# KiCad board Marble_Tiny.kicad_pcb (continued)
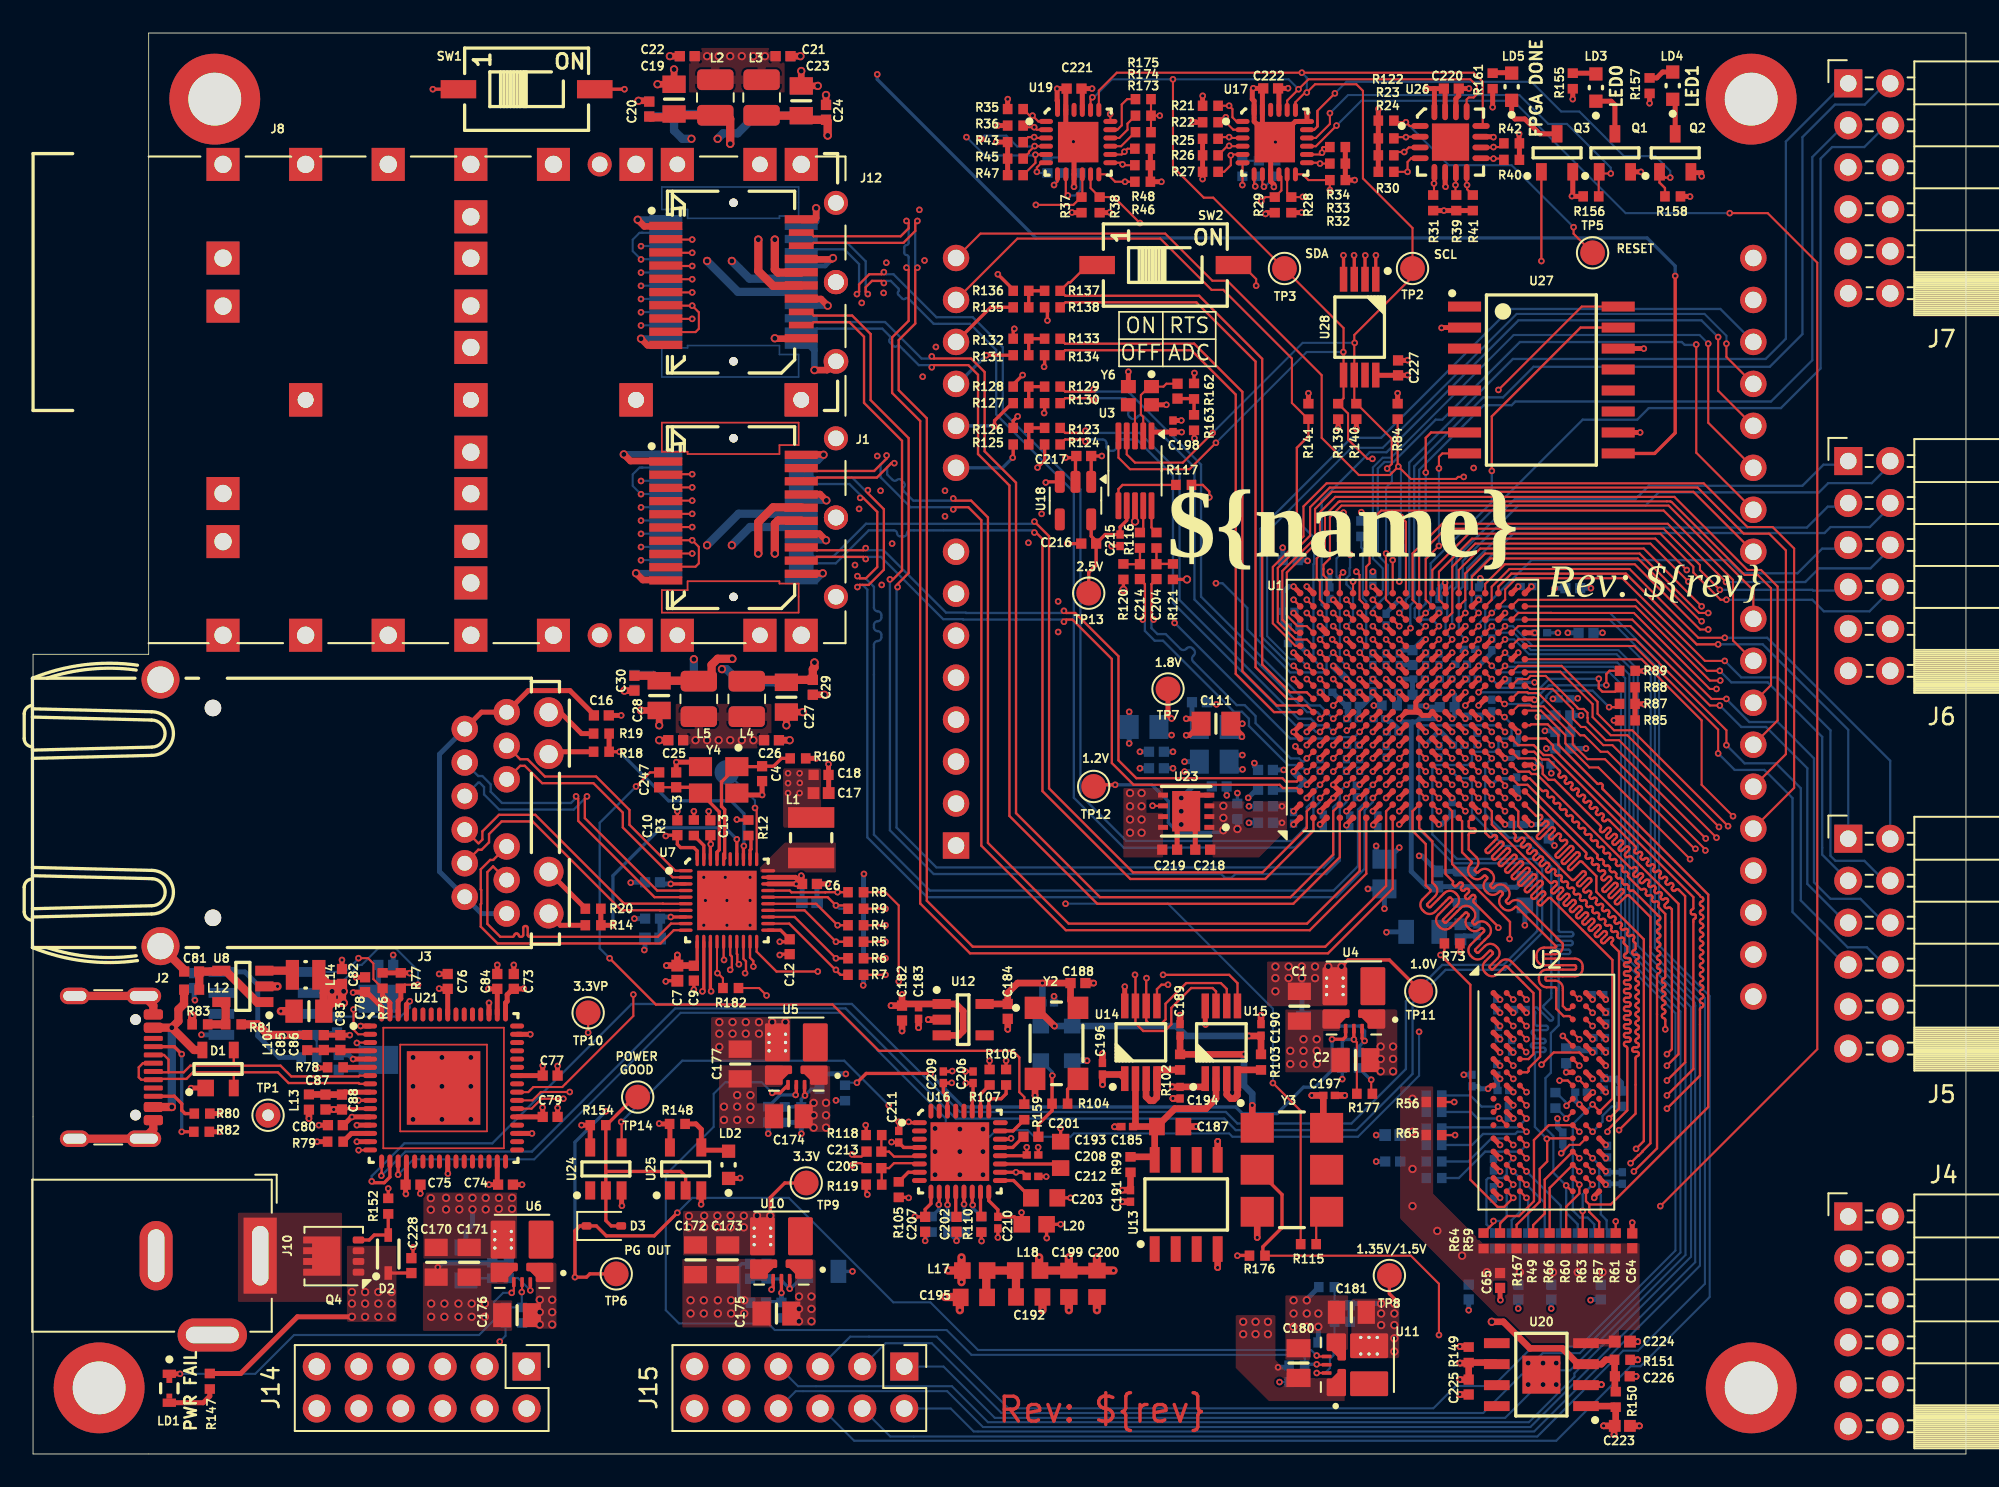
[diagram p0: board, top side]
## Routing (per net, layer and track width the routed paths; a pad name or vN(x,y) marks a point on that pad's centre or on a via; arc(x,y) is an arc through that point) (continued)
DDR3_A3: length 44.5
  Top w0.14: U2.N2 v1(89.6,17.9) ; U1.P6 v1(87.5,42.1)
  In5.Cu w0.13: v1(87.5,42.1) 87.9,41.7 89.3,41.7 91.7,39.3 91.7,36.6 92.15,36.15 arc(92.23,36.12) 92.3,36.15 92.82,36.66 arc(92.89,36.69) 92.96,36.66 93,36.63 arc(93.03,36.55) 93,36.48 92.21,35.69 arc(92.18,35.62) 92.21,35.55 92.24,35.51 arc(92.32,35.48) 92.39,35.51 93.18,36.3 arc(93.25,36.33) 93.33,36.3 93.36,36.26 arc(93.39,36.19) 93.36,36.12 92.84,35.6 arc(92.81,35.53) 92.84,35.46 96.7,31.6 96.7,24.44 95.35,23.09 95.04,23.09 94.79,22.85 94.79,22.49 94.58,22.28 94.22,22.28 94.01,22.06 94.01,20.95 92.86,19.8 91.8,19.8 91.11,19.11 90.24,19.11 89.99,18.86 89.99,18.29 v1(89.6,17.9)
  Bottom w0.14: v1(89.6,17.9) 89.2,17.5 89.2,16.94 88.96,16.7 88.08,16.7 87.98,16.6 87.98,13.89 R68.1
DDR3_A4: length 43.7
  Top w0.14: R61.1 v1(95.8,14.07) ; v1(97.03,18.47) 97.5,18.94 97.5,31.15 94.63,34.02 94.63,34.97 93.76,35.84 arc(93.68,35.87) 93.61,35.84 93.12,35.36 arc(93.05,35.32) 92.97,35.36 92.93,35.39 arc(92.9,35.47) 92.93,35.54 93.6,36.21 arc(93.63,36.28) 93.6,36.36 93.56,36.4 arc(93.48,36.43) 93.41,36.4 92.74,35.73 arc(92.67,35.7) 92.59,35.73 92.56,35.77 arc(92.52,35.85) 92.56,35.92 93.22,36.58 arc(93.25,36.66) 93.22,36.74 93.18,36.77 arc(93.1,36.8) 93.03,36.77 92.37,36.11 arc(92.29,36.08) 92.22,36.11 92.18,36.15 arc(92.15,36.22) 92.18,36.3 92.84,36.96 arc(92.87,37.04) 92.84,37.11 92.8,37.15 arc(92.73,37.18) 92.65,37.15 92.63,37.13 arc(92.55,37.09) 92.47,37.13 92.44,37.16 arc(92.41,37.24) 92.44,37.31 92.46,37.34 arc(92.49,37.42) 92.46,37.49 92.43,37.53 arc(92.35,37.56) 92.27,37.53 91.97,37.22 arc(91.89,37.19) 91.81,37.22 91.78,37.26 arc(91.75,37.33) 91.78,37.41 92.09,37.72 arc(92.12,37.79) 92.09,37.87 92.05,37.91 arc(91.97,37.94) 91.9,37.91 91.23,37.24 arc(91.16,37.21) 91.08,37.24 91.05,37.28 arc(91.01,37.36) 91.05,37.43 91.71,38.09 arc(91.74,38.17) 91.71,38.25 91.67,38.28 arc(91.59,38.31) 91.52,38.28 91.32,38.08 arc(91.24,38.05) 91.17,38.08 91.13,38.12 arc(91.1,38.19) 91.13,38.27 91.33,38.47 arc(91.36,38.55) 91.33,38.62 91.29,38.66 arc(91.22,38.69) 91.14,38.66 91.12,38.64 arc(91.04,38.6) 90.96,38.64 U1.V2 ; U2.P8 v1(94.4,17.1)
  In2.Cu w0.14: v1(94.4,17.1) 94.8,16.7 95.36,16.7 95.6,16.94 95.6,17.04 96.3,17.74 96.3,17.76 96.54,18 96.56,18 v1(97.03,18.47)
  In5.Cu w0.14: v1(94.4,17.1) 94.4,16.93 94,16.53 94,15.44 95.36,14.07 v1(95.8,14.07)
DDR3_A5: length 41.8
  Top w0.14: U1.V4 90.58,40.9 91.34,40.14 arc(91.42,40.11) 91.49,40.14 arc(91.56,40.17) 91.63,40.14 91.68,40.09 arc(91.7,40.02) 91.68,39.95 arc(91.65,39.88) 91.68,39.81 91.72,39.76 arc(91.79,39.73) 91.86,39.76 arc(91.93,39.79) 92.01,39.76 92.05,39.71 arc(92.08,39.64) 92.05,39.57 arc(92.02,39.5) 92.05,39.43 92.1,39.38 arc(92.17,39.35) 92.24,39.38 arc(92.31,39.41) 92.38,39.38 92.43,39.34 arc(92.46,39.26) 92.43,39.19 arc(92.4,39.12) 92.43,39.05 92.48,39.01 arc(92.55,38.98) 92.62,39.01 arc(92.69,39.03) 92.76,39.01 92.81,38.96 arc(92.84,38.89) 92.81,38.82 arc(92.78,38.75) 92.81,38.68 92.86,38.63 arc(92.93,38.6) 93,38.63 arc(93.07,38.66) 93.14,38.63 93.19,38.58 arc(93.21,38.51) 93.19,38.44 arc(93.16,38.37) 93.19,38.3 93.23,38.25 arc(93.3,38.22) 93.37,38.25 arc(93.44,38.28) 93.52,38.25 93.56,38.2 arc(93.59,38.13) 93.56,38.06 arc(93.53,37.99) 93.56,37.92 93.61,37.87 arc(93.68,37.84) 93.75,37.87 arc(93.82,37.9) 93.89,37.87 93.94,37.83 arc(93.97,37.75) 93.94,37.68 arc(93.91,37.61) 93.94,37.54 93.99,37.49 arc(94.06,37.47) 94.13,37.49 arc(94.2,37.52) 94.27,37.49 94.32,37.45 arc(94.35,37.38) 94.32,37.31 arc(94.29,37.24) 94.32,37.16 94.37,37.12 arc(94.44,37.09) 94.51,37.12 arc(94.58,37.15) 94.65,37.12 94.7,37.07 arc(94.73,37) 94.7,36.93 arc(94.67,36.86) 94.7,36.79 94.74,36.74 arc(94.81,36.71) 94.88,36.74 arc(94.96,36.77) 95.03,36.74 95.07,36.69 arc(95.1,36.62) 95.07,36.55 arc(95.04,36.48) 95.07,36.41 95.12,36.36 arc(95.19,36.33) 95.26,36.36 arc(95.33,36.39) 95.4,36.36 95.45,36.31 arc(95.48,36.24) 95.45,36.17 arc(95.42,36.1) 95.45,36.03 95.5,35.98 arc(95.57,35.96) 95.64,35.98 arc(95.71,36.01) 95.78,35.98 95.83,35.94 arc(95.86,35.87) 95.83,35.8 arc(95.8,35.72) 95.83,35.65 95.88,35.61 arc(95.95,35.58) 96.02,35.61 arc(96.09,35.64) 96.16,35.61 96.21,35.56 arc(96.24,35.49) 96.21,35.42 arc(96.18,35.35) 96.21,35.28 96.25,35.23 arc(96.31,35.21) 96.36,35.23 arc(96.41,35.25) 96.47,35.23 96.55,35.15 arc(96.57,35.09) 96.55,35.04 arc(96.53,34.99) 96.55,34.93 97.3,34.18 arc(97.37,34.15) 97.45,34.18 arc(97.52,34.21) 97.59,34.18 97.63,34.13 arc(97.66,34.06) 97.63,33.99 arc(97.6,33.92) 97.63,33.85 97.68,33.8 arc(97.75,33.77) 97.82,33.8 arc(97.89,33.83) 97.96,33.8 98.01,33.75 arc(98.04,33.68) 98.01,33.61 arc(97.98,33.54) 98.01,33.47 98.06,33.42 arc(98.13,33.39) 98.2,33.42 arc(98.27,33.45) 98.34,33.42 98.39,33.38 arc(98.42,33.31) 98.39,33.24 arc(98.36,33.16) 98.39,33.09 98.8,32.68 98.8,28.88 arc(98.77,28.81) 98.7,28.78 arc(98.63,28.75) 98.6,28.68 98.6,28.61 arc(98.63,28.54) 98.7,28.51 arc(98.77,28.48) 98.8,28.41 98.8,28.34 arc(98.77,28.27) 98.7,28.24 arc(98.63,28.22) 98.6,28.14 98.6,28.08 arc(98.63,28.01) 98.7,27.98 arc(98.77,27.95) 98.8,27.88 98.8,27.81 arc(98.77,27.74) 98.7,27.71 arc(98.63,27.68) 98.6,27.61 98.6,27.54 arc(98.63,27.47) 98.7,27.44 arc(98.77,27.41) 98.8,27.34 98.8,27.28 arc(98.77,27.21) 98.7,27.18 arc(98.63,27.15) 98.6,27.08 98.6,27.01 arc(98.63,26.94) 98.7,26.91 arc(98.77,26.88) 98.8,26.81 98.8,26.74 arc(98.77,26.67) 98.7,26.64 arc(98.63,26.61) 98.6,26.54 98.6,26.48 arc(98.63,26.41) 98.7,26.38 arc(98.77,26.35) 98.8,26.28 v1(98.8,25.7) ; U2.P2 v1(89.6,17.1)
  In5.Cu w0.13: v1(89.6,17.1) 90,17.5 90.75,17.5 92.05,18.8 92.4,18.8 93,19.4 93,19.46 93.94,20.4 94.3,20.4 98.8,24.9 v1(98.8,25.7)
  Bottom w0.14: v1(89.6,17.1) 90,16.7 90,14.65 89.5,14.15 R62.1
DDR3_A6: length 41.8
  Top w0.14: U1.V7 91.59,43.3 92.01,42.88 92.01,42.69 100.9,33.8 arc(100.93,33.73) 101,33.7 arc(101.07,33.67) 101.09,33.61 101.09,33.53 arc(101.07,33.46) 101,33.44 arc(100.93,33.41) 100.9,33.34 100.9,33.27 arc(100.93,33.2) 101,33.17 arc(101.07,33.14) 101.09,33.07 101.09,33 arc(101.07,32.93) 101,32.9 arc(100.93,32.87) 100.9,32.8 100.9,32.73 arc(100.93,32.66) 101,32.63 arc(101.07,32.61) 101.09,32.54 101.09,32.46 arc(101.07,32.4) 101,32.37 arc(100.93,32.34) 100.9,32.27 100.9,32.2 arc(100.93,32.13) 101,32.1 arc(101.07,32.07) 101.09,32 101.09,31.93 arc(101.07,31.86) 101,31.83 arc(100.93,31.81) 100.9,31.74 100.9,31.66 arc(100.93,31.6) 101,31.57 arc(101.07,31.54) 101.09,31.47 101.09,31.4 arc(101.07,31.33) 101,31.3 arc(100.93,31.27) 100.9,31.2 100.9,31.13 arc(100.93,31.06) 101,31.03 arc(101.07,31) 101.09,30.94 101.09,30.86 arc(101.07,30.79) 101,30.77 arc(100.93,30.74) 100.9,30.67 100.9,30.6 arc(100.93,30.53) 101,30.5 arc(101.07,30.47) 101.09,30.4 101.09,30.33 arc(101.07,30.26) 101,30.23 arc(100.93,30.2) 100.9,30.13 100.9,30.06 arc(100.93,29.99) 101,29.96 arc(101.07,29.94) 101.09,29.87 101.09,29.79 arc(101.07,29.73) 101,29.7 arc(100.93,29.67) 100.9,29.6 100.9,29.53 arc(100.93,29.46) 101,29.43 arc(101.07,29.4) 101.09,29.33 101.09,29.26 arc(101.07,29.19) 101,29.16 arc(100.93,29.14) 100.9,29.07 100.9,28.99 arc(100.93,28.93) 101,28.9 arc(101.07,28.87) 101.09,28.8 101.09,28.73 arc(101.07,28.66) 101,28.63 arc(100.93,28.6) 100.9,28.53 100.9,28.46 arc(100.93,28.39) 101,28.36 arc(101.07,28.33) 101.09,28.27 101.09,28.19 arc(101.07,28.12) 101,28.1 arc(100.93,28.07) 100.9,28 100.9,27.93 arc(100.93,27.86) 101,27.83 arc(101.07,27.8) 101.09,27.73 101.09,27.66 arc(101.07,27.59) 101,27.56 arc(100.93,27.53) 100.9,27.46 100.9,27.39 arc(100.93,27.32) 101,27.29 arc(101.07,27.27) 101.09,27.2 101.09,27.12 arc(101.07,27.06) 101,27.03 arc(100.93,27) 100.9,26.93 100.9,22.9 v1(98.9,20.9) ; R63.1 v1(93.8,14.7) ; U2.R8 v1(94.4,16.3)
  In5.Cu w0.13: v1(94.4,16.3) 94.79,16.69 94.79,17.31 94.99,17.51 95.41,17.51 96,18.1 96.1,18.1 v1(98.9,20.9)
  Bottom w0.14: v1(94.4,16.3) 93.8,15.7 v1(93.8,14.7)
DDR3_A7: length 42.1
  Top w0.14: U2.R2 v1(89.6,16.3) ; U1.T7 v1(89.1,42.9) ; R64.1 88.4,13.97 v1(88.4,14.1)
  In2.Cu w0.13: v1(89.6,16.3) 90,16.7 92.6,16.7 93.4,17.5 95.38,17.5 97.42,19.55 97.42,35.97 92.3,41.1 92.3,41.46 92.06,41.7 91.7,41.7 90.5,42.9 v1(89.1,42.9)
  Bottom w0.14: v1(89.6,16.3) 89.2,15.9 89.2,14.41 88.89,14.1 v1(88.4,14.1)
DDR3_A8: length 41.3
  Top w0.14: 94.2,15.1 95.5,15.1 101.4,21 101.4,33.86 95,40.26 arc(94.97,40.32) 95,40.38 arc(95.03,40.44) 95,40.51 94.94,40.57 arc(94.87,40.6) 94.81,40.57 arc(94.75,40.54) 94.69,40.57 92.33,42.93 92.33,43.51 91.68,44.16 90.67,44.16 90.61,44.1 U1.V8 ; 94.2,15.1 94,15.3 U2.T8 ; 94.2,15.1 94.2,14.65 94.8,14.05 R57.1
DDR3_A9: length 42.7
  Top w0.14: U1.U4 89.9,40.5 90.46,40.5 94.69,36.27 arc(94.71,36.22) 94.69,36.17 arc(94.67,36.12) 94.69,36.07 94.78,35.98 arc(94.83,35.96) 94.88,35.98 arc(94.93,36) 94.98,35.98 95.07,35.89 arc(95.09,35.84) 95.07,35.79 arc(95.05,35.74) 95.07,35.69 95.16,35.6 arc(95.21,35.58) 95.26,35.6 arc(95.31,35.62) 95.36,35.6 95.45,35.52 arc(95.47,35.46) 95.45,35.41 arc(95.43,35.36) 95.45,35.31 95.53,35.23 arc(95.59,35.2) 95.64,35.23 arc(95.69,35.25) 95.74,35.23 95.83,35.14 arc(95.85,35.09) 95.83,35.04 arc(95.8,34.99) 95.83,34.94 95.91,34.85 arc(95.96,34.83) 96.01,34.85 arc(96.06,34.87) 96.12,34.85 96.2,34.76 arc(96.22,34.71) 96.2,34.66 arc(96.18,34.61) 96.2,34.56 96.29,34.47 arc(96.34,34.45) 96.39,34.47 arc(96.44,34.49) 96.49,34.47 96.58,34.38 arc(96.6,34.33) 96.58,34.28 arc(96.56,34.23) 96.58,34.18 96.67,34.09 arc(96.72,34.07) 96.77,34.09 arc(96.82,34.11) 96.87,34.09 98.3,32.66 arc(98.33,32.59) 98.4,32.57 arc(98.46,32.54) 98.49,32.47 98.49,32.4 arc(98.46,32.33) 98.4,32.3 arc(98.33,32.27) 98.3,32.2 98.3,32.13 arc(98.33,32.06) 98.4,32.03 arc(98.46,32) 98.49,31.94 98.49,31.86 arc(98.46,31.79) 98.4,31.77 arc(98.33,31.74) 98.3,31.67 98.3,31.59 arc(98.33,31.53) 98.4,31.5 arc(98.47,31.47) 98.49,31.4 98.49,31.33 arc(98.47,31.26) 98.4,31.23 arc(98.33,31.2) 98.3,31.13 98.3,31.06 arc(98.33,30.99) 98.4,30.96 arc(98.46,30.94) 98.49,30.87 98.49,30.79 arc(98.46,30.73) 98.4,30.7 arc(98.33,30.67) 98.3,30.6 98.3,30.53 arc(98.33,30.46) 98.4,30.43 arc(98.47,30.4) 98.49,30.33 98.49,30.26 arc(98.47,30.19) 98.4,30.16 arc(98.33,30.13) 98.3,30.07 98.3,29.99 arc(98.33,29.92) 98.4,29.9 arc(98.47,29.87) 98.49,29.8 98.49,29.73 arc(98.47,29.66) 98.4,29.63 arc(98.33,29.6) 98.3,29.53 98.3,29.46 arc(98.33,29.39) 98.4,29.36 arc(98.47,29.33) 98.49,29.27 98.49,29.19 arc(98.47,29.12) 98.4,29.1 arc(98.33,29.07) 98.3,29 98.3,18.5 v1(96.9,17.1) ; U2.R3 v1(90.4,16.3)
  In2.Cu w0.14: v1(96.9,17.1) 96.9,17.06 94.94,15.1 93,15.1 91.8,16.3 v1(90.4,16.3)
  Bottom w0.14: v1(90.4,16.3) 91.5,15.2 R58.1
DDR3_A10: length 47.8
  Top w0.14: U1.U1 89.63,38.37 89.63,37.57 89.73,37.47 arc(89.76,37.4) 89.73,37.32 89.7,37.3 arc(89.67,37.22) 89.7,37.14 89.74,37.11 arc(89.82,37.08) 89.89,37.11 90.06,37.28 arc(90.13,37.31) 90.2,37.28 90.25,37.23 arc(90.28,37.16) 90.25,37.09 90.08,36.92 arc(90.05,36.84) 90.08,36.77 90.12,36.73 arc(90.2,36.7) 90.27,36.73 90.44,36.9 arc(90.51,36.93) 90.58,36.9 90.63,36.85 arc(90.66,36.78) 90.63,36.71 90.46,36.54 arc(90.43,36.46) 90.46,36.39 90.5,36.35 arc(90.57,36.32) 90.65,36.35 90.82,36.52 arc(90.89,36.55) 90.96,36.52 91.01,36.47 arc(91.04,36.4) 91.01,36.33 90.84,36.16 arc(90.81,36.09) 90.84,36.01 90.87,35.97 arc(90.95,35.94) 91.03,35.97 91.2,36.14 arc(91.27,36.17) 91.34,36.14 91.38,36.1 arc(91.41,36.03) 91.38,35.96 91.21,35.78 arc(91.18,35.71) 91.21,35.63 91.25,35.6 arc(91.33,35.56) 91.4,35.6 91.57,35.77 arc(91.64,35.8) 91.71,35.77 91.76,35.72 arc(91.79,35.65) 91.76,35.58 91.59,35.41 arc(91.56,35.33) 91.59,35.26 91.63,35.22 arc(91.71,35.19) 91.78,35.22 91.95,35.39 arc(92.02,35.42) 92.09,35.39 92.14,35.34 arc(92.17,35.27) 92.14,35.2 arc(92.11,35.13) 92.14,35.06 92.19,35.01 arc(92.26,34.98) 92.33,35.01 arc(92.4,35.04) 92.47,35.01 92.52,34.96 arc(92.55,34.89) 92.52,34.82 arc(92.49,34.75) 92.52,34.68 92.57,34.63 arc(92.64,34.61) 92.71,34.63 arc(92.78,34.66) 92.85,34.63 92.89,34.59 arc(92.92,34.52) 92.89,34.45 arc(92.87,34.38) 92.89,34.31 92.94,34.26 arc(93.01,34.23) 93.08,34.26 arc(93.15,34.29) 93.22,34.26 93.27,34.21 arc(93.3,34.14) 93.27,34.07 arc(93.24,34) 93.27,33.93 93.32,33.88 arc(93.39,33.85) 93.46,33.88 arc(93.53,33.91) 93.6,33.88 93.65,33.83 arc(93.68,33.76) 93.65,33.69 arc(93.62,33.62) 93.65,33.55 93.7,33.5 arc(93.77,33.47) 93.84,33.5 arc(93.91,33.53) 93.98,33.5 94.03,33.45 arc(94.06,33.38) 94.03,33.31 arc(94,33.24) 94.03,33.17 94.08,33.12 arc(94.15,33.09) 94.22,33.12 arc(94.29,33.15) 94.36,33.12 94.4,33.07 arc(94.43,33.01) 94.4,32.94 arc(94.38,32.87) 94.4,32.8 94.45,32.75 arc(94.52,32.72) 94.59,32.75 arc(94.66,32.78) 94.73,32.75 94.78,32.7 arc(94.81,32.63) 94.78,32.56 arc(94.75,32.49) 94.78,32.42 94.83,32.37 arc(94.9,32.34) 94.97,32.37 arc(95.04,32.4) 95.11,32.37 95.16,32.32 arc(95.19,32.25) 95.16,32.18 arc(95.13,32.11) 95.16,32.04 95.21,31.99 arc(95.28,31.96) 95.35,31.99 arc(95.42,32.02) 95.49,31.99 95.54,31.94 arc(95.57,31.87) 95.54,31.8 arc(95.51,31.73) 95.54,31.66 95.59,31.61 arc(95.66,31.58) 95.73,31.61 arc(95.8,31.64) 95.87,31.61 95.92,31.56 arc(95.94,31.49) 95.92,31.42 arc(95.89,31.35) 95.92,31.28 95.96,31.24 arc(96.03,31.21) 96.1,31.24 arc(96.17,31.26) 96.24,31.24 96.29,31.19 arc(96.32,31.12) 96.29,31.05 arc(96.26,30.98) 96.29,30.91 96.5,30.7 96.5,30.38 arc(96.47,30.31) 96.4,30.28 arc(96.33,30.25) 96.3,30.18 96.3,30.12 arc(96.33,30.05) 96.4,30.02 96.6,30.02 arc(96.67,29.99) 96.7,29.92 96.7,29.85 arc(96.67,29.78) 96.6,29.75 96.4,29.75 arc(96.33,29.72) 96.3,29.65 96.3,29.58 arc(96.33,29.51) 96.4,29.48 96.6,29.48 arc(96.67,29.45) 96.7,29.38 96.7,29.31 arc(96.67,29.24) 96.6,29.21 96.4,29.21 arc(96.33,29.19) 96.3,29.12 96.3,29.05 arc(96.33,28.98) 96.4,28.95 96.6,28.95 arc(96.67,28.92) 96.7,28.85 96.7,28.78 arc(96.67,28.71) 96.6,28.68 96.4,28.68 arc(96.33,28.65) 96.3,28.58 96.3,28.51 arc(96.33,28.44) 96.4,28.41 96.6,28.41 arc(96.67,28.38) 96.7,28.31 96.7,28.25 arc(96.67,28.18) 96.6,28.15 96.4,28.15 arc(96.33,28.12) 96.3,28.05 96.3,27.98 arc(96.33,27.91) 96.4,27.88 96.6,27.88 arc(96.67,27.85) 96.7,27.78 96.7,27.71 arc(96.67,27.64) 96.6,27.61 96.4,27.61 arc(96.33,27.58) 96.3,27.51 96.3,27.45 arc(96.33,27.38) 96.4,27.35 96.6,27.35 arc(96.67,27.32) 96.7,27.25 96.7,27.18 arc(96.67,27.11) 96.6,27.08 96.4,27.08 arc(96.33,27.05) 96.3,26.98 96.3,26.91 arc(96.33,26.84) 96.4,26.81 96.6,26.81 arc(96.67,26.78) 96.7,26.71 96.7,26.64 arc(96.67,26.57) 96.6,26.54 96.4,26.54 arc(96.33,26.52) 96.3,26.45 96.3,26.38 arc(96.33,26.31) 96.4,26.28 96.6,26.28 arc(96.67,26.25) 96.7,26.18 96.7,26.11 arc(96.67,26.04) 96.6,26.01 96.4,26.01 arc(96.33,25.98) 96.3,25.91 96.3,25.84 arc(96.33,25.77) 96.4,25.74 96.6,25.74 arc(96.67,25.71) 96.7,25.64 96.7,25.58 arc(96.67,25.51) 96.6,25.48 96.4,25.48 arc(96.33,25.45) 96.3,25.38 96.3,25.31 arc(96.33,25.24) 96.4,25.21 96.6,25.21 arc(96.67,25.18) 96.7,25.11 96.7,25.04 arc(96.67,24.97) 96.6,24.94 96.4,24.94 arc(96.33,24.91) 96.3,24.84 96.3,24.78 arc(96.33,24.71) 96.4,24.68 arc(96.47,24.65) 96.5,24.58 96.5,20.8 95.3,19.6 v1(95.3,19.5) ; R59.1 88.8,13.95 89.25,14.4 89.95,14.4 90.85,15.3 90.85,19 91.75,19.9 U2.L7 v1(93.6,19.5)
  In2.Cu w0.14: v1(95.3,19.5) 94.96,19.5 94.56,19.1 94,19.1 v1(93.6,19.5)
DDR3_A11: length 40
  Top w0.14: R60.1 92.8,14.97 93.6,15.77 v1(93.6,16.3) U2.R7 ; U1.U7 89.9,42.9 90.84,42.9 91.44,42.3 91.9,42.3 100.5,33.7 100.5,33.03 arc(100.48,32.97) 100.42,32.95 arc(100.37,32.93) 100.35,32.87 100.35,32.74 arc(100.37,32.68) 100.42,32.66 100.57,32.66 arc(100.62,32.64) 100.64,32.59 100.64,32.46 arc(100.62,32.41) 100.57,32.39 arc(100.52,32.37) 100.5,32.32 100.5,23.3 v1(98.9,21.7)
  In5.Cu w0.13: v1(98.9,21.7) 97.5,20.3 97.5,20.1 95.71,18.31 95.05,18.31 94.79,18.05 94.79,17.74 94.56,17.5 94.24,17.5 94.01,17.26 94.01,16.91 93.6,16.5 v1(93.6,16.3)
DDR3_A12: length 42.6
  Top w0.14: v1(93.6,17.9) U2.N7 91.5,16.6 91.5,14.55 90.8,13.85 R49.1 ; U1.U6 89.9,42.1 90.89,42.1 91.38,41.6 91.38,41.16 91.74,40.8 92.1,40.8 94.89,38.01 arc(94.92,37.94) 94.89,37.86 94.87,37.84 arc(94.84,37.76) 94.87,37.69 94.91,37.65 arc(94.98,37.62) 95.06,37.65 95.28,37.88 arc(95.36,37.91) 95.43,37.88 95.47,37.84 arc(95.5,37.77) 95.47,37.69 95.25,37.46 arc(95.21,37.39) 95.25,37.31 95.28,37.27 arc(95.36,37.24) 95.43,37.27 95.66,37.5 arc(95.74,37.53) 95.81,37.5 95.85,37.46 arc(95.88,37.39) 95.85,37.31 95.62,37.09 arc(95.59,37.01) 95.62,36.93 95.66,36.9 arc(95.74,36.87) 95.81,36.9 96.04,37.12 arc(96.11,37.16) 96.19,37.12 96.23,37.09 arc(96.26,37.01) 96.23,36.94 96,36.71 arc(95.97,36.63) 96,36.56 96.04,36.52 arc(96.11,36.49) 96.19,36.52 96.42,36.75 arc(96.49,36.78) 96.57,36.75 96.61,36.71 arc(96.64,36.63) 96.61,36.56 96.38,36.33 arc(96.35,36.25) 96.38,36.18 96.42,36.14 arc(96.49,36.11) 96.57,36.14 96.59,36.16 arc(96.66,36.19) 96.74,36.16 99.6,33.3 99.6,24.2 v1(98.9,23.5)
  In5.Cu w0.13: v1(93.6,17.9) 93.6,18.14 94.91,19.45 94.91,19.66 95.14,19.89 95.55,19.89 95.79,20.14 95.79,20.39 v1(98.9,23.5)
DDR3_A13: length 40.5
  Top w0.14: U1.U5 89.9,41.3 90.56,41.3 90.71,41.15 91.01,41.15 96.69,35.47 arc(96.77,35.44) 96.84,35.47 96.87,35.5 arc(96.94,35.53) 97.02,35.5 97.06,35.46 arc(97.09,35.38) 97.06,35.31 96.88,35.14 arc(96.85,35.06) 96.88,34.99 96.93,34.95 arc(97,34.92) 97.07,34.95 97.24,35.12 arc(97.32,35.15) 97.4,35.12 97.43,35.08 arc(97.47,35.01) 97.43,34.93 97.26,34.76 arc(97.23,34.69) 97.26,34.62 97.31,34.57 arc(97.38,34.54) 97.45,34.57 97.62,34.74 arc(97.7,34.77) 97.77,34.74 97.81,34.7 arc(97.84,34.63) 97.81,34.55 97.79,34.53 arc(97.75,34.45) 97.79,34.38 97.82,34.34 arc(97.9,34.31) 97.97,34.34 98,34.36 arc(98.08,34.39) 98.15,34.36 98.19,34.33 arc(98.22,34.25) 98.19,34.17 98.16,34.15 arc(98.13,34.07) 98.16,34 98.2,33.96 arc(98.28,33.93) 98.35,33.96 98.38,33.99 arc(98.45,34.02) 98.53,33.99 98.57,33.95 arc(98.6,33.87) 98.57,33.8 98.54,33.77 arc(98.51,33.7) 98.54,33.62 98.58,33.58 arc(98.65,33.55) 98.73,33.58 98.76,33.61 arc(98.83,33.64) 98.91,33.61 98.94,33.57 arc(98.98,33.49) 98.94,33.42 98.77,33.25 arc(98.74,33.18) 98.77,33.11 98.82,33.06 arc(98.89,33.03) 98.96,33.06 arc(99.03,33.09) 99.1,33.06 99.2,32.96 99.2,24.5 v1(98.9,24.2) ; U2.T3 v1(90.4,15.5)
  In5.Cu w0.13: v1(98.9,24.2) 95.85,21.15 95.69,21.15 94.44,19.89 94.24,19.89 94.01,19.66 94.01,19.11 v1(90.4,15.5)
  Bottom w0.14: R50.1 90.5,15.32 90.33,15.5 v1(90.4,15.5)
DDR3_A14: length 38.7
  Top w0.14: U1.R6 v1(88.3,42.1) ; U2.T7 93.15,15.9 v1(92.8,16.25)
  Bottom w0.14: R153.1 93.5,13.9 92.8,14.6 v1(92.8,16.25) 92.03,17.02 92.03,19.24 91.55,19.71 91.55,22.75 91.87,23.07 91.87,25.47 92.35,25.95 92.35,30.15 arc(92.38,30.23) 92.46,30.26 92.94,30.26 arc(93.01,30.29) 93.05,30.36 93.05,30.42 arc(93.01,30.49) 92.94,30.52 92.28,30.52 arc(92.23,30.54) 92.21,30.59 92.21,30.72 arc(92.23,30.77) 92.28,30.79 93.09,30.79 arc(93.16,30.82) 93.19,30.9 93.19,30.95 arc(93.16,31.03) 93.09,31.06 92.28,31.06 arc(92.23,31.08) 92.21,31.13 92.21,31.26 arc(92.23,31.3) 92.28,31.33 93.12,31.33 arc(93.2,31.36) 93.23,31.43 93.23,31.49 arc(93.2,31.56) 93.12,31.59 92.46,31.59 arc(92.38,31.62) 92.35,31.7 92.35,35.67 90.72,37.3 89.34,37.3 87.9,38.74 87.9,41.7 v1(88.3,42.1)
DDR3_A15: length 42
  Top w0.14: U1.M5 v1(85.9,41.3) ; R167.1 89.8,13.87 91.2,15.27 91.2,17.25 91.65,17.7 91.65,19.05 ; v1(91.63,19.07) 91.65,19.1 U2.M7
  Bottom w0.14: v1(91.63,19.07) 90.91,19.79 90.91,24.22 arc(90.94,24.29) 91.02,24.32 91.45,24.32 arc(91.52,24.36) 91.55,24.43 91.55,24.48 arc(91.52,24.56) 91.45,24.59 90.77,24.59 arc(90.7,24.62) 90.67,24.7 90.67,24.75 arc(90.7,24.83) 90.77,24.86 91.45,24.86 arc(91.52,24.89) 91.55,24.97 91.55,25.02 arc(91.52,25.09) 91.45,25.13 91.02,25.13 arc(90.94,25.16) 90.91,25.23 90.91,25.29 arc(90.88,25.35) 90.81,25.38 arc(90.75,25.41) 90.72,25.48 90.72,25.56 arc(90.75,25.62) 90.81,25.65 91.6,25.65 arc(91.67,25.68) 91.7,25.76 91.7,25.81 arc(91.67,25.89) 91.6,25.92 91.02,25.92 arc(90.94,25.95) 90.91,26.03 90.91,26.61 arc(90.94,26.69) 90.91,26.76 90.85,26.82 arc(90.82,26.89) 90.85,26.97 90.89,27.01 arc(90.97,27.04) 91.04,27.01 91.8,26.25 arc(91.88,26.22) 91.95,26.25 91.99,26.29 arc(92.02,26.36) 91.99,26.44 91.44,26.99 arc(91.41,27.06) 91.44,27.14 91.9,27.6 91.9,35.55 90.65,36.8 89.04,36.8 87.1,38.74 87.1,40.66 86.86,40.9 86.3,40.9 v1(85.9,41.3)
DDR3_BA0: length 42.6
  Top w0.14: U1.T3 v1(89.1,39.7) ; U2.M2 v1(89.6,18.7)
  In5.Cu w0.13: v1(89.1,39.7) 90.2,38.6 90.2,37.67 arc(90.23,37.6) 90.3,37.57 90.7,37.57 arc(90.77,37.54) 90.8,37.46 90.8,37.41 arc(90.77,37.34) 90.7,37.31 90.1,37.31 arc(90.03,37.28) 90,37.21 90,37.15 arc(90.03,37.08) 90.1,37.05 90.7,37.05 arc(90.77,37.02) 90.8,36.95 90.8,36.9 arc(90.77,36.82) 90.7,36.79 90.3,36.79 arc(90.23,36.76) 90.2,36.69 90.2,36.3 arc(90.27,36.27) 90.35,36.3 90.45,36.4 arc(90.52,36.43) 90.59,36.4 90.63,36.37 arc(90.66,36.29) 90.63,36.22 90.28,35.87 arc(90.25,35.8) 90.28,35.73 90.32,35.69 arc(90.39,35.66) 90.46,35.69 90.78,36 arc(90.85,36.03) 90.92,36 90.96,35.97 arc(90.99,35.89) 90.96,35.82 90.64,35.51 arc(90.61,35.43) 90.64,35.36 90.68,35.33 arc(90.75,35.3) 90.82,35.33 91.14,35.64 arc(91.21,35.67) 91.28,35.64 91.32,35.6 arc(91.35,35.53) 91.32,35.46 91.01,35.14 arc(90.98,35.07) 91.01,35 91.04,34.96 arc(91.12,34.93) 91.19,34.96 91.5,35.28 arc(91.58,35.31) 91.65,35.28 91.68,35.24 arc(91.71,35.17) 91.68,35.09 91.37,34.78 arc(91.34,34.71) 91.37,34.64 91.41,34.6 arc(91.48,34.57) 91.55,34.6 91.87,34.91 arc(91.94,34.94) 92.01,34.91 92.05,34.88 arc(92.08,34.8) 92.05,34.73 91.73,34.42 arc(91.7,34.34) 91.73,34.27 91.77,34.24 arc(91.84,34.21) 91.92,34.24 92.23,34.55 arc(92.3,34.58) 92.37,34.55 92.41,34.51 arc(92.44,34.44) 92.41,34.37 92.1,34.05 arc(92.07,33.98) 92.1,33.91 92.13,33.87 arc(92.21,33.84) 92.28,33.87 92.38,33.97 arc(92.45,34) 92.53,33.97 92.56,33.94 arc(92.59,33.87) 92.56,33.8 arc(92.53,33.73) 92.56,33.65 92.6,33.61 arc(92.67,33.59) 92.74,33.61 arc(92.81,33.64) 92.89,33.61 95.7,30.8 95.7,26.64 95.36,26.3 95,26.3 94.79,26.09 94.79,24.94 94.56,24.7 94.24,24.7 93.2,23.66 93.2,22.9 92.79,22.49 92.79,22.44 91,20.64 91,20.34 90.55,19.89 89.99,19.89 89.6,19.5 v1(89.6,18.7)
  Bottom w0.14: R51.1 86.88,17.7 88.27,19.1 89.2,19.1 v1(89.6,18.7)
DDR3_BA1: length 43.6
  Top w0.14: U2.N8 v1(94.4,17.9) ; U1.V6 90.86,42.5 91.32,42.04 91.73,42.04 92.41,41.35 arc(92.44,41.28) 92.41,41.2 92.36,41.15 arc(92.33,41.07) 92.36,41 92.4,40.96 arc(92.47,40.93) 92.55,40.96 92.6,41.01 arc(92.67,41.04) 92.75,41.01 92.79,40.97 arc(92.82,40.9) 92.79,40.82 92.74,40.77 arc(92.7,40.69) 92.74,40.62 92.77,40.58 arc(92.85,40.55) 92.92,40.58 92.98,40.63 arc(93.05,40.67) 93.13,40.63 93.17,40.6 arc(93.2,40.52) 93.17,40.44 93.11,40.39 arc(93.08,40.32) 93.11,40.24 93.15,40.2 arc(93.23,40.17) 93.3,40.2 93.35,40.26 arc(93.43,40.29) 93.51,40.26 93.54,40.22 arc(93.57,40.14) 93.54,40.07 93.49,40.01 arc(93.46,39.94) 93.49,39.86 93.53,39.83 arc(93.6,39.79) 93.68,39.83 93.73,39.88 arc(93.81,39.91) 93.88,39.88 93.92,39.84 arc(93.95,39.77) 93.92,39.69 93.87,39.64 arc(93.84,39.56) 93.87,39.49 93.91,39.45 arc(93.98,39.42) 94.06,39.45 94.11,39.5 arc(94.18,39.53) 94.26,39.5 94.3,39.46 arc(94.33,39.39) 94.3,39.31 94.25,39.26 arc(94.21,39.18) 94.25,39.11 94.28,39.07 arc(94.36,39.04) 94.43,39.07 94.49,39.12 arc(94.56,39.15) 94.64,39.12 94.68,39.09 arc(94.71,39.01) 94.68,38.93 94.62,38.88 arc(94.59,38.81) 94.62,38.73 94.66,38.69 arc(94.74,38.66) 94.81,38.69 94.86,38.75 arc(94.94,38.78) 95.02,38.75 95.05,38.71 arc(95.08,38.63) 95.05,38.56 95,38.5 arc(94.97,38.43) 95,38.35 95.04,38.32 arc(95.11,38.28) 95.19,38.32 95.24,38.37 arc(95.32,38.4) 95.39,38.37 97,36.76 arc(97.03,36.69) 97,36.61 96.95,36.56 arc(96.92,36.48) 96.95,36.41 96.98,36.37 arc(97.06,36.34) 97.14,36.37 97.19,36.42 arc(97.26,36.45) 97.34,36.42 97.38,36.38 arc(97.41,36.31) 97.38,36.23 97.32,36.18 arc(97.29,36.1) 97.32,36.03 97.36,35.99 arc(97.44,35.96) 97.51,35.99 97.57,36.04 arc(97.64,36.08) 97.72,36.04 97.76,36.01 arc(97.79,35.93) 97.76,35.86 97.7,35.8 arc(97.67,35.73) 97.7,35.65 97.74,35.61 arc(97.82,35.58) 97.89,35.61 97.94,35.67 arc(98.02,35.7) 98.1,35.67 98.13,35.63 arc(98.16,35.55) 98.13,35.48 98.08,35.42 arc(98.05,35.35) 98.08,35.27 98.12,35.24 arc(98.19,35.2) 98.27,35.24 98.32,35.29 arc(98.4,35.32) 98.47,35.29 98.51,35.25 arc(98.54,35.18) 98.51,35.1 98.46,35.05 arc(98.43,34.97) 98.46,34.9 98.5,34.86 arc(98.57,34.83) 98.65,34.86 98.7,34.91 arc(98.77,34.94) 98.85,34.91 98.89,34.87 arc(98.92,34.8) 98.89,34.72 98.84,34.67 arc(98.8,34.59) 98.84,34.52 98.87,34.48 arc(98.95,34.45) 99.02,34.48 99.08,34.53 arc(99.15,34.56) 99.23,34.53 99.27,34.5 arc(99.3,34.42) 99.27,34.34 99.21,34.29 arc(99.18,34.22) 99.21,34.14 99.25,34.1 arc(99.33,34.07) 99.4,34.1 99.45,34.16 arc(99.53,34.19) 99.61,34.16 100,33.76 100,23.7 v1(98.9,22.6)
  In5.Cu w0.13: v1(94.4,17.9) 94.4,18.5 95,19.1 96.06,19.1 96.9,19.94 96.9,20.6 v1(98.9,22.6)
  Bottom w0.14: R52.1 95.25,13.62 95.25,14.15 94.9,14.5 94.9,15.66 94.8,15.76 94.8,17.5 v1(94.4,17.9)
DDR3_BA2: length 45.3
  Top w0.14: U2.M3 v1(90.4,18.7) ; v1(95.4,20.3) 96,20.9 96,30.4 95.56,30.84 arc(95.53,30.92) 95.56,30.99 95.62,31.05 arc(95.65,31.13) 95.62,31.2 95.58,31.24 arc(95.51,31.27) 95.43,31.24 95.12,30.93 arc(95.05,30.9) 94.97,30.93 94.93,30.97 arc(94.9,31.05) 94.93,31.12 95.24,31.43 arc(95.27,31.51) 95.24,31.58 95.21,31.62 arc(95.13,31.65) 95.05,31.62 94.75,31.31 arc(94.67,31.28) 94.59,31.31 94.56,31.35 arc(94.53,31.42) 94.56,31.5 94.87,31.81 arc(94.9,31.88) 94.87,31.96 94.83,32 arc(94.75,32.03) 94.68,32 94.37,31.69 arc(94.29,31.66) 94.22,31.69 94.18,31.73 arc(94.15,31.8) 94.18,31.88 94.49,32.19 arc(94.52,32.26) 94.49,32.34 94.45,32.37 arc(94.37,32.41) 94.3,32.37 93.99,32.07 arc(93.92,32.03) 93.84,32.07 93.8,32.1 arc(93.77,32.18) 93.8,32.25 94.11,32.56 arc(94.14,32.64) 94.11,32.71 94.07,32.75 arc(94,32.78) 93.92,32.75 93.61,32.44 arc(93.54,32.41) 93.46,32.44 93.42,32.48 arc(93.39,32.56) 93.42,32.63 93.73,32.94 arc(93.76,33.02) 93.73,33.09 93.7,33.13 arc(93.62,33.16) 93.54,33.13 93.24,32.82 arc(93.16,32.79) 93.08,32.82 93.05,32.86 arc(93.02,32.93) 93.05,33.01 93.36,33.32 arc(93.39,33.39) 93.36,33.47 93.32,33.51 arc(93.24,33.54) 93.17,33.51 92.86,33.2 arc(92.78,33.17) 92.71,33.2 92.67,33.24 arc(92.64,33.31) 92.67,33.39 92.98,33.7 arc(93.01,33.77) 92.98,33.85 92.94,33.88 arc(92.86,33.92) 92.79,33.88 92.48,33.58 arc(92.4,33.54) 92.33,33.58 92.29,33.61 arc(92.26,33.69) 92.29,33.76 92.6,34.07 arc(92.63,34.15) 92.6,34.22 92.56,34.26 arc(92.49,34.29) 92.41,34.26 92.1,33.95 arc(92.03,33.92) 91.95,33.95 91.91,33.99 arc(91.88,34.07) 91.91,34.14 92.22,34.45 arc(92.25,34.53) 92.22,34.6 92.18,34.64 arc(92.11,34.67) 92.03,34.64 91.97,34.58 arc(91.9,34.55) 91.82,34.58 88.3,38.1 88.3,38.9 U1.R2